# Altium PCB Cueing-shoes-LSM9DS1.PcbDoc (part 2 of 2)
Units mm, origin at the board's own origin, x right, y up, seen from the top; angles counter-clockwise.
Board outline 61.47 x 70.61 mm, 2 copper layers (Top Layer, Bottom Layer); 73 components, 55 nets, 298 pads, 1540 vias.
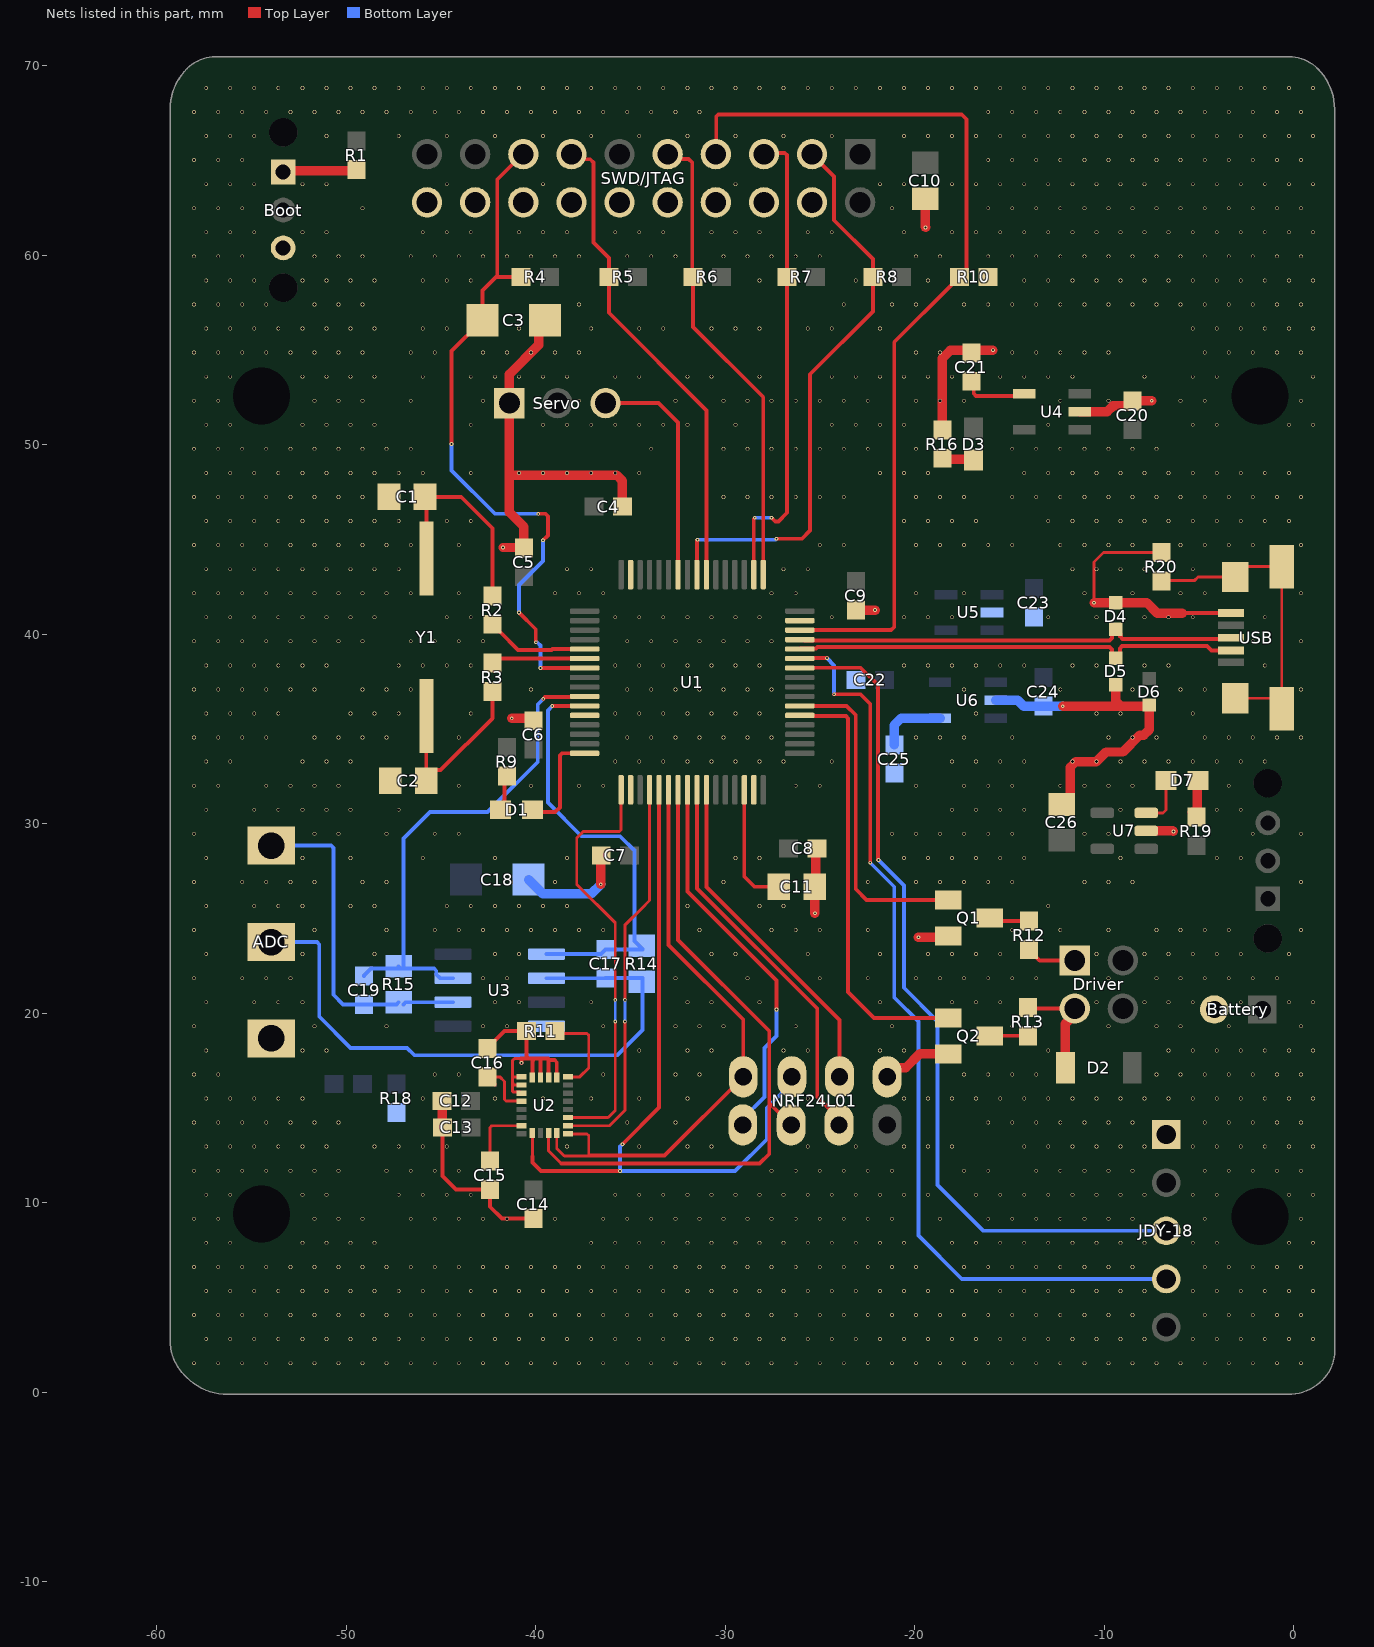
[diagram p2: the nets of this part, all layers, seen from the top]

## Via types
v1: diameter 0.2/0.2 (per signal layer), hole 0.15, Top Layer to Bottom Layer, 1475 vias
v2: diameter 0.2, hole 0.1, Top Layer to Bottom Layer, 65 vias

## Nets (pads, with @x,y where several pads share a name; then routed paths per layer and width w, separated by ;. In a path a pad name is that pad's centre, name@x,y a point inside that pad or via, vN(x,y) a via of type N, cw(c..) or ccw(c..) an arc to the next point about the centre after c; other vN are vias at no path point) (continued)
GND: ADC.1 Battery.2 Boot.3 C1.2 C2.2 C3.2 C4.2 C5.2 C6.2 C7.2 C8.2 C9.2 C10.2 C11.2 C12.1 C13.2 C14.2 C15.1 C16.1 C18.2 C20.2 C21.2 C22.2 C23.2 C24.2 C25.2 C26.2 D4.2 D5.2 D6.2 JDY-18.1 NRF24L01.1 pad.7 pad.8 pad.9 pad.10 Q1.2 Q2.2 R10.1 R11.1 R16.2 R18.1 R20.1 Servo.1 SWD/JTAG.11 SWD/JTAG.12 SWD/JTAG.13 SWD/JTAG.14 SWD/JTAG.15 SWD/JTAG.16 SWD/JTAG.17 SWD/JTAG.18 SWD/JTAG.19 U1.12 U1.18 U1.31 U1.47 U1.63 U2.14 U2.15 U2.16 U2.17 U2.18 U2.19 U2.20 U3.4 U4.2 U5.2 U6.2 U7.2 USB.5 | length 107.2
  Top Layer w0.152: U2.19@-40.831,16.207 -41.137,16.207 -41.226,16.296 ; U2.19@-40.799,16.175 U2.19@-40.767,16.207 ; U2.20@-40.767,15.777 -40.831,15.841 -41.201,15.841 -41.226,15.866 -41.226,16.296 ; U2.18@-40.767,16.637 -41.226,16.637 ; -40.767,17.598 -40.712,17.598 ; -40.767,17.631 -40.78,17.644 -40.789,17.644 -40.835,17.598 -41.137,17.598 -41.226,17.509 -41.226,16.637 ; C8.2@-25.183,28.702 C8.2@-25.158,28.702 ; v2(-10.538,41.659) -10.538,43.818 -10.045,44.311 R20.1@-6.985,44.311 ; -41.226,16.296 -41.226,16.637
  Top Layer w0.203: C13.2@-44.934,13.97 -44.934,11.406 -44.22,10.692 C15.1@-42.418,10.692 -42.418,9.779 -41.795,9.156 C14.2@-40.132,9.156 ; C16.1@-42.545,18.137 -42.545,18.162 -41.657,19.05 R11.1@-40.489,19.05 -40.489,17.717 -40.37,17.598 ; v2(-40.767,17.375) -40.767,17.543 -40.712,17.598 -40.37,17.598 ; U2.17@-40.187,16.602 -40.187,17.479 -40.068,17.598 ; U2.16@-39.757,16.602 -39.757,17.56 -39.719,17.598 ; U2.15@-39.327,16.602 -39.327,17.526 ; U2.14@-38.897,16.602 -38.897,17.407 -39.016,17.526 -39.327,17.526 ; -5.872,41.118 USB.5@-3.31,41.118 ; -40.37,17.598 -40.068,17.598 ; -40.068,17.598 -39.719,17.598 ; -39.719,17.598 -39.37,17.598 -39.327,17.555 -39.327,17.526
  Top Layer w0.5: C13.2@-44.934,13.97 -44.946,13.982 -44.946,15.185 C12.1@-44.934,15.197 ; v2(-41.736,44.577) -40.664,44.577 C5.2@-40.64,44.553 -40.64,45.678 -41.402,46.44 -41.402,48.387 ; v2(-41.275,35.56) -40.259,35.56 C6.2@-40.132,35.433 ; C3.2@-39.522,56.572 -39.858,56.237 -39.858,55.265 -41.402,53.721 Servo.1@-41.402,52.197 -41.402,48.387 ; v2(-36.576,26.797) -36.576,28.297 C7.2@-36.552,28.321 ; C4.2@-35.433,46.736 -35.433,48.094 -35.726,48.387 -41.402,48.387 ; v2(-25.273,25.273) -25.278,25.278 C11.2@-25.278,26.67 -25.218,26.73 -25.218,28.642 C8.2@-25.158,28.702 ; C9.2@-23.114,41.275 v2(-22.098,41.275) ; NRF24L01.1@-21.463,16.637 -21.463,16.644 -20.99,17.117 -20.475,17.117 -19.746,17.846 Q2.2@-18.245,17.846 ; v2(-19.812,24.003) -18.316,24.003 Q1.2@-18.245,24.074 ; C10.2@-19.459,62.984 -19.459,61.496 v2(-19.431,61.468) ; R16.2@-18.546,50.788 -18.546,54.567 -18.122,54.991 -17.157,54.991 C21.2@-17.018,54.852 -16.879,54.991 v2(-15.875,54.991) ; C26.2@-12.246,31.018 -12.146,31.018 -11.796,31.368 -11.796,32.981 -11.503,33.274 v1(-10.414,33.274) -9.906,33.782 -9.017,33.782 -8.128,34.671 -7.913,34.671 -7.62,34.964 -7.62,36.157 -7.658,36.195 -9.105,36.195 ; v2(-12.192,36.195) -9.105,36.195 ; U4.2@-11.29,51.75 -9.845,51.75 -9.545,52.05 -8.734,52.05 -8.509,52.275 C20.2@-8.509,52.3 -8.485,52.324 v2(-7.493,52.324) ; v2(-10.538,41.659) D4.2@-9.398,41.659 -7.75,41.659 -7.209,41.118 -5.872,41.118 ; D5.2@-9.398,37.335 -9.398,36.488 -9.105,36.195 ; U7.2@-7.784,29.621 -6.38,29.621 v2(-6.35,29.591)
  Bottom Layer w0.5: C18.2@-40.387,27.051 -39.625,26.289 -37.084,26.289 v2(-36.576,26.797) ; U6.2@-15.735,36.51 -15.731,36.506 -14.557,36.506 -14.258,36.207 C24.2@-13.208,36.207 -12.204,36.207 v2(-12.192,36.195)
  other v1: -58.039,1.524 -56.769,1.524 -55.499,1.524 -54.229,1.524 -52.959,1.524 -51.689,1.524 -50.419,1.524 -49.149,1.524 -47.879,1.524 -46.609,1.524 -45.339,1.524 -44.069,1.524 -42.799,1.524 -41.529,1.524 -40.259,1.524 -38.989,1.524 -37.719,1.524 -36.449,1.524 -35.179,1.524 -33.909,1.524 -32.639,1.524 -31.369,1.524 -30.099,1.524 -28.829,1.524 -27.559,1.524 -26.289,1.524 -25.019,1.524 -23.749,1.524 -22.479,1.524 -21.209,1.524 -19.939,1.524 -18.669,1.524 -17.399,1.524 -16.129,1.524 -14.859,1.524 -13.589,1.524 -12.319,1.524 -11.049,1.524 -9.779,1.524 -8.509,1.524 -7.239,1.524 -5.969,1.524 -4.699,1.524 -3.429,1.524 -2.159,1.524 -0.889,1.524 0.381,1.524 -57.404,2.794 -56.134,2.794 -54.864,2.794 -53.594,2.794 -52.324,2.794 -51.054,2.794 -49.784,2.794 -48.514,2.794 -47.244,2.794 -45.974,2.794 -44.704,2.794 -43.434,2.794 -42.164,2.794 -40.894,2.794 -39.624,2.794 -38.354,2.794 -37.084,2.794 -35.814,2.794 -34.544,2.794 -33.274,2.794 -32.004,2.794 -30.734,2.794 -29.464,2.794 -28.194,2.794 -26.924,2.794 -25.654,2.794 -24.384,2.794 -23.114,2.794 -21.844,2.794 -20.574,2.794 -19.304,2.794 -18.034,2.794 -16.764,2.794 -15.494,2.794 -14.224,2.794 -12.954,2.794 -11.684,2.794 -10.414,2.794 -9.144,2.794 -7.874,2.794 -5.334,2.794 -4.064,2.794 -2.794,2.794 -1.524,2.794 -0.254,2.794 1.016,2.794 -58.039,4.064 -56.769,4.064 -55.499,4.064 -54.229,4.064 -52.959,4.064 -51.689,4.064 -50.419,4.064 -49.149,4.064 -47.879,4.064 -46.609,4.064 -45.339,4.064 -44.069,4.064 -42.799,4.064 -41.529,4.064 -40.259,4.064 -38.989,4.064 -37.719,4.064 -36.449,4.064 -35.179,4.064 -33.909,4.064 -32.639,4.064 -31.369,4.064 -30.099,4.064 -28.829,4.064 -27.559,4.064 -26.289,4.064 -25.019,4.064 -23.749,4.064 -22.479,4.064 -21.209,4.064 -19.939,4.064 -18.669,4.064 -17.399,4.064 -16.129,4.064 -14.859,4.064 -13.589,4.064 -12.319,4.064 -11.049,4.064 -9.779,4.064 -8.509,4.064 -4.699,4.064 -3.429,4.064 -2.159,4.064 -0.889,4.064 0.381,4.064 -57.404,5.334 -56.134,5.334 -54.864,5.334 -53.594,5.334 -52.324,5.334 -51.054,5.334 -49.784,5.334 -48.514,5.334 -47.244,5.334 -45.974,5.334 -44.704,5.334 -43.434,5.334 -42.164,5.334 -40.894,5.334 -39.624,5.334 -38.354,5.334 -37.084,5.334 -35.814,5.334 -34.544,5.334 -33.274,5.334 -32.004,5.334 -30.734,5.334 -29.464,5.334 -28.194,5.334 -26.924,5.334 -25.654,5.334 -24.384,5.334 -23.114,5.334 -21.844,5.334 -20.574,5.334 -19.304,5.334 -18.034,5.334 -16.764,5.334 -15.494,5.334 -14.224,5.334 -12.954,5.334 -11.684,5.334 -10.414,5.334 -9.144,5.334 -7.874,5.334 -5.334,5.334 -4.064,5.334 -2.794,5.334 -1.524,5.334 -0.254,5.334 1.016,5.334 -58.039,6.604 -56.769,6.604 -55.499,6.604 -54.229,6.604 -52.959,6.604 -51.689,6.604 -50.419,6.604 -49.149,6.604 -47.879,6.604 -46.609,6.604 -45.339,6.604 -44.069,6.604 -42.799,6.604 -41.529,6.604 -40.259,6.604 -38.989,6.604 -37.719,6.604 -36.449,6.604 -35.179,6.604 -33.909,6.604 -32.639,6.604 -31.369,6.604 -30.099,6.604 -28.829,6.604 -27.559,6.604 -26.289,6.604 -25.019,6.604 -23.749,6.604 -22.479,6.604 -21.209,6.604 -19.939,6.604 -17.399,6.604 -16.129,6.604 -14.859,6.604 -13.589,6.604 -12.319,6.604 -11.049,6.604 -9.779,6.604 -8.509,6.604 -4.699,6.604 -3.429,6.604 -2.159,6.604 -0.889,6.604 0.381,6.604 -57.404,7.874 -56.134,7.874 -52.324,7.874 -51.054,7.874 -49.784,7.874 -48.514,7.874 -37.084,7.874 -35.814,7.874 -34.544,7.874 -33.274,7.874 -32.004,7.874 -30.734,7.874 -29.464,7.874 -28.194,7.874 -26.924,7.874 -25.654,7.874 -24.384,7.874 -23.114,7.874 -21.844,7.874 -20.574,7.874 -18.034,7.874 -16.764,7.874 -15.494,7.874 -14.224,7.874 -12.954,7.874 -11.684,7.874 -10.414,7.874 -9.144,7.874 -7.874,7.874 -5.334,7.874 -4.064,7.874 -0.254,7.874 1.016,7.874 -58.039,9.144 -56.769,9.144 -51.689,9.144 -50.419,9.144 -49.149,9.144 -46.609,9.144 -45.339,9.144 -44.069,9.144 -42.799,9.144 -41.529,9.144 -38.989,9.144 -36.449,9.144 -35.179,9.144 -33.909,9.144 -32.639,9.144 -31.369,9.144 -30.099,9.144 -28.829,9.144 -27.559,9.144 -26.289,9.144 -25.019,9.144 -23.749,9.144 -22.479,9.144 -21.209,9.144 -18.669,9.144 -16.129,9.144 -14.859,9.144 -13.589,9.144 -12.319,9.144 -11.049,9.144 -9.779,9.144 -8.509,9.144 -4.699,9.144 0.381,9.144 -57.404,10.414 -56.134,10.414 -52.324,10.414 -51.054,10.414 -47.244,10.414 -45.974,10.414 -44.704,10.414 -43.434,10.414 -35.814,10.414 -34.544,10.414 -33.274,10.414 -32.004,10.414 -30.734,10.414 -29.464,10.414 -28.194,10.414 -26.924,10.414 -25.654,10.414 -24.384,10.414 -23.114,10.414 -21.844,10.414 -20.574,10.414 -19.304,10.414 -16.764,10.414 -15.494,10.414 -14.224,10.414 -12.954,10.414 -11.684,10.414 -10.414,10.414 -9.144,10.414 -7.874,10.414 -5.334,10.414 -4.064,10.414 -0.254,10.414 1.016,10.414 -58.039,11.684 -56.769,11.684 -55.499,11.684 -54.229,11.684 -52.959,11.684 -51.689,11.684 -50.419,11.684 -47.879,11.684 -46.609,11.684 -45.339,11.684 -44.069,11.684 -27.559,11.684 -26.289,11.684 -25.019,11.684 -23.749,11.684 -22.479,11.684 -21.209,11.684 -17.399,11.684 -16.129,11.684 -13.589,11.684 -12.319,11.684 -11.049,11.684 -9.779,11.684 -8.509,11.684 -4.699,11.684 -3.429,11.684 -2.159,11.684 -0.889,11.684 0.381,11.684 -57.404,12.954 -56.134,12.954 -54.864,12.954 -53.594,12.954 -52.324,12.954 -51.054,12.954 -48.514,12.954 -47.244,12.954 -45.974,12.954 -44.704,12.954 -38.354,12.954 -34.544,12.954 -32.004,12.954 -30.734,12.954 -25.654,12.954 -23.114,12.954 -20.574,12.954 -19.304,12.954 -18.034,12.954 -14.224,12.954 -12.954,12.954 -11.684,12.954 -10.414,12.954 -9.144,12.954 -7.874,12.954 -5.334,12.954 -4.064,12.954 -2.794,12.954 -1.524,12.954 -0.254,12.954 1.016,12.954 -58.039,14.224 -56.769,14.224 -55.499,14.224 -54.229,14.224 -52.959,14.224 -51.689,14.224 -50.419,14.224 -35.179,14.224 -32.639,14.224 -16.129,14.224 -14.859,14.224 -13.589,14.224 -12.319,14.224 -11.049,14.224 -9.779,14.224 -8.509,14.224 -4.699,14.224 -3.429,14.224 -2.159,14.224 -0.889,14.224 0.381,14.224 -57.404,15.494 -56.134,15.494 -54.864,15.494 -53.594,15.494 -52.324,15.494 -45.974,15.494 -42.164,15.494 -39.624,15.494 -37.084,15.494 -34.544,15.494 -32.004,15.494 -25.654,15.494 -20.574,15.494 -19.304,15.494 -18.034,15.494 -16.764,15.494 -15.494,15.494 -14.224,15.494 -12.954,15.494 -11.684,15.494 -10.414,15.494 -9.144,15.494 -7.874,15.494 -6.604,15.494 -5.334,15.494 -4.064,15.494 -2.794,15.494 -1.524,15.494 -0.254,15.494 1.016,15.494 -58.039,16.764 -56.769,16.764 -45.339,16.764 -44.069,16.764 -36.449,16.764 -32.639,16.764 -31.369,16.764 -17.399,16.764 -16.129,16.764 -14.859,16.764 -13.589,16.764 -7.239,16.764 -5.969,16.764 -4.699,16.764 -3.429,16.764 -2.159,16.764 -0.889,16.764 0.381,16.764 -57.404,18.034 -52.324,18.034 -51.054,18.034 -34.544,18.034 -32.004,18.034 -30.734,18.034 -26.924,18.034 -25.654,18.034 -21.844,18.034 -20.574,18.034 -12.954,18.034 -6.604,18.034 -5.334,18.034 -4.064,18.034 -2.794,18.034 -1.524,18.034 -0.254,18.034 1.016,18.034 -58.039,19.304 -51.689,19.304 -47.879,19.304 -42.799,19.304 -41.529,19.304 -36.449,19.304 -32.639,19.304 -31.369,19.304 -30.099,19.304 -26.289,19.304 -21.209,19.304 -14.859,19.304 -9.779,19.304 -7.239,19.304 -5.969,19.304 -3.429,19.304 0.381,19.304 -57.404,20.574 -54.864,20.574 -53.594,20.574 -52.324,20.574 -42.164,20.574 -40.894,20.574 -37.084,20.574 -32.004,20.574 -30.734,20.574 -28.194,20.574 -21.844,20.574 -18.034,20.574 -16.764,20.574 -15.494,20.574 -10.414,20.574 -7.874,20.574 -6.604,20.574 -5.334,20.574 -2.794,20.574 -0.254,20.574 1.016,20.574 -58.039,21.844 -55.499,21.844 -54.229,21.844 -52.959,21.844 -42.799,21.844 -41.529,21.844 -32.639,21.844 -28.829,21.844 -25.019,21.844 -22.479,21.844 -19.939,21.844 -18.669,21.844 -17.399,21.844 -16.129,21.844 -14.859,21.844 -13.589,21.844 -9.779,21.844 -7.239,21.844 -5.969,21.844 -4.699,21.844 -3.429,21.844 -2.159,21.844 -0.889,21.844 -57.404,23.114 -52.324,23.114 -48.514,23.114 -42.164,23.114 -40.894,23.114 -30.734,23.114 -29.464,23.114 -25.654,23.114 -21.844,23.114 -19.304,23.114 -18.034,23.114 -16.764,23.114 -15.494,23.114 -10.414,23.114 -7.874,23.114 -6.604,23.114 -5.334,23.114 -4.064,23.114 -2.794,23.114 -0.254,23.114 -58.039,24.384 -51.689,24.384 -47.879,24.384 -45.339,24.384 -44.069,24.384 -42.799,24.384 -41.529,24.384 -40.259,24.384 -38.989,24.384 -37.719,24.384 -36.449,24.384 -31.369,24.384 -27.559,24.384 -26.289,24.384 -25.019,24.384 -22.479,24.384 -14.859,24.384 -12.319,24.384 -9.779,24.384 -7.239,24.384 -5.969,24.384 -4.699,24.384 -3.429,24.384 0.381,24.384 -57.404,25.654 -54.864,25.654 -53.594,25.654 -52.324,25.654 -49.784,25.654 -48.514,25.654 -44.704,25.654 -43.434,25.654 -42.164,25.654 -40.894,25.654 -39.624,25.654 -38.354,25.654 -32.004,25.654 -28.194,25.654 -26.924,25.654 -12.954,25.654 -58.039,26.924 -55.499,26.924 -54.229,26.924 -52.959,26.924 -51.689,26.924 -49.149,26.924 -47.879,26.924 -38.989,26.924 -30.099,26.924 -22.479,26.924 -19.939,26.924 -18.669,26.924 -17.399,26.924 -16.129,26.924 -14.859,26.924 -11.049,26.924 -9.779,26.924 -8.509,26.924 0.381,26.924 -57.404,28.194 -52.324,28.194 -49.784,28.194 -45.974,28.194 -42.164,28.194 -38.354,28.194 -29.464,28.194 -28.194,28.194 -20.574,28.194 -19.304,28.194 -18.034,28.194 -16.764,28.194 -15.494,28.194 -14.224,28.194 -9.144,28.194 -4.064,28.194 -2.794,28.194 -58.039,29.464 -51.689,29.464 -50.419,29.464 -47.879,29.464 -45.339,29.464 -44.069,29.464 -21.209,29.464 -19.939,29.464 -18.669,29.464 -17.399,29.464 -16.129,29.464 -14.859,29.464 -11.049,29.464 -9.779,29.464 -2.159,29.464 0.381,29.464 -57.404,30.734 -54.864,30.734 -53.594,30.734 -52.324,30.734 -51.054,30.734 -49.784,30.734 -47.244,30.734 -18.034,30.734 -16.764,30.734 -15.494,30.734 -14.224,30.734 -9.144,30.734 -4.064,30.734 -2.794,30.734 -58.039,32.004 -56.769,32.004 -54.229,32.004 -52.959,32.004 -51.689,32.004 -50.419,32.004 -44.069,32.004 -40.259,32.004 -37.719,32.004 -36.449,32.004 -26.289,32.004 -25.019,32.004 -19.939,32.004 -17.399,32.004 -16.129,32.004 -14.859,32.004 -12.319,32.004 -11.049,32.004 -9.779,32.004 -8.509,32.004 -3.429,32.004 -57.404,33.274 -56.134,33.274 -52.324,33.274 -51.054,33.274 -49.784,33.274 -35.814,33.274 -34.544,33.274 -33.274,33.274 -32.004,33.274 -30.734,33.274 -29.464,33.274 -28.194,33.274 -26.924,33.274 -24.384,33.274 -18.034,33.274 -16.764,33.274 -15.494,33.274 -14.224,33.274 -11.684,33.274 -9.144,33.274 -7.874,33.274 -6.604,33.274 -5.334,33.274 -4.064,33.274 -2.794,33.274 -1.524,33.274 -58.039,34.544 -56.769,34.544 -55.499,34.544 -54.229,34.544 -51.689,34.544 -50.419,34.544 -49.149,34.544 -47.879,34.544 -44.069,34.544 -35.179,34.544 -33.909,34.544 -32.639,34.544 -31.369,34.544 -30.099,34.544 -28.829,34.544 -27.559,34.544 -19.939,34.544 -18.669,34.544 -17.399,34.544 -14.859,34.544 -9.779,34.544 -8.509,34.544 -7.239,34.544 -4.699,34.544 -3.429,34.544 -2.159,34.544 -0.889,34.544 0.381,34.544 -57.404,35.814 -56.134,35.814 -54.864,35.814 -53.594,35.814 -49.784,35.814 -48.514,35.814 -47.244,35.814 -43.434,35.814 -35.814,35.814 -34.544,35.814 -33.274,35.814 -32.004,35.814 -30.734,35.814 -29.464,35.814 -28.194,35.814 -16.764,35.814 -10.414,35.814 -9.144,35.814 -5.334,35.814 -58.039,37.084 -56.769,37.084 -55.499,37.084 -54.229,37.084 -52.959,37.084 -51.689,37.084 -49.149,37.084 -47.879,37.084 -46.609,37.084 -40.259,37.084 -35.179,37.084 -33.909,37.084 -32.639,37.084 -31.369,37.084 -30.099,37.084 -28.829,37.084 -27.559,37.084 -17.399,37.084 -12.319,37.084 -8.509,37.084 -5.969,37.084 -4.699,37.084 0.381,37.084 -57.404,38.354 -56.134,38.354 -54.864,38.354 -53.594,38.354 -52.324,38.354 -51.054,38.354 -47.244,38.354 -45.974,38.354 -44.704,38.354 -43.434,38.354 -35.814,38.354 -34.544,38.354 -33.274,38.354 -32.004,38.354 -30.734,38.354 -29.464,38.354 -28.194,38.354 -20.574,38.354 -19.304,38.354 -18.034,38.354 -16.764,38.354 -15.494,38.354 -14.224,38.354 -11.684,38.354 -10.414,38.354 -7.874,38.354 -6.604,38.354 -1.524,38.354 -58.039,39.624 -56.769,39.624 -55.499,39.624 -54.229,39.624 -52.959,39.624 -51.689,39.624 -50.419,39.624 -49.149,39.624 -46.609,39.624 -45.339,39.624 -44.069,39.624 -42.799,39.624 -35.179,39.624 -33.909,39.624 -32.639,39.624 -31.369,39.624 -30.099,39.624 -28.829,39.624 -27.559,39.624 -2.159,39.624 0.381,39.624 -57.404,40.894 -56.134,40.894 -54.864,40.894 -53.594,40.894 -52.324,40.894 -51.054,40.894 -49.784,40.894 -48.514,40.894 -44.704,40.894 -43.434,40.894 -35.814,40.894 -34.544,40.894 -33.274,40.894 -32.004,40.894 -30.734,40.894 -29.464,40.894 -28.194,40.894 -24.384,40.894 -20.574,40.894 -19.304,40.894 -18.034,40.894 -12.954,40.894 -10.414,40.894 -7.874,40.894 -6.604,40.894 -5.334,40.894 -1.524,40.894 -58.039,42.164 -56.769,42.164 -55.499,42.164 -54.229,42.164 -52.959,42.164 -51.689,42.164 -50.419,42.164 -49.149,42.164 -47.879,42.164 -46.609,42.164 -44.069,42.164 -38.989,42.164 -37.719,42.164 -36.449,42.164 -27.559,42.164 -26.289,42.164 -19.939,42.164 -17.399,42.164 -11.049,42.164 -8.509,42.164 -5.969,42.164 -4.699,42.164 0.381,42.164 -57.404,43.434 -56.134,43.434 -54.864,43.434 -53.594,43.434 -52.324,43.434 -51.054,43.434 -49.784,43.434 -48.514,43.434 -47.244,43.434 -38.354,43.434 -37.084,43.434 -26.924,43.434 -25.654,43.434 -11.684,43.434 -10.414,43.434 -9.144,43.434 -7.874,43.434 -5.334,43.434 -58.039,44.704 -56.769,44.704 -55.499,44.704 -54.229,44.704 -52.959,44.704 -51.689,44.704 -50.419,44.704 -49.149,44.704 -47.879,44.704 -46.609,44.704 -44.069,44.704 -25.019,44.704 -23.749,44.704 -19.939,44.704 -18.669,44.704 -17.399,44.704 -16.129,44.704 -14.859,44.704 -12.319,44.704 -11.049,44.704 -9.779,44.704 -8.509,44.704 -5.969,44.704 -4.699,44.704 -3.429,44.704 -2.159,44.704 0.381,44.704 -57.404,45.974 -56.134,45.974 -54.864,45.974 -53.594,45.974 -52.324,45.974 -51.054,45.974 -49.784,45.974 -48.514,45.974 -47.244,45.974 -44.704,45.974 -43.434,45.974 -20.574,45.974 -19.304,45.974 -18.034,45.974 -16.764,45.974 -12.954,45.974 -11.684,45.974 -10.414,45.974 -9.144,45.974 -7.874,45.974 -6.604,45.974 -5.334,45.974 -4.064,45.974 -2.794,45.974 -1.524,45.974 -0.254,45.974 -58.039,47.244 -56.769,47.244 -55.499,47.244 -54.229,47.244 -52.959,47.244 -51.689,47.244 -50.419,47.244 -49.149,47.244 -30.099,47.244 -28.829,47.244 -27.559,47.244 -26.289,47.244 -25.019,47.244 -23.749,47.244 -19.939,47.244 -18.669,47.244 -17.399,47.244 -14.859,47.244 -13.589,47.244 -12.319,47.244 -11.049,47.244 -9.779,47.244 -8.509,47.244 -7.239,47.244 -5.969,47.244 -4.699,47.244 -3.429,47.244 -2.159,47.244 -0.889,47.244 0.381,47.244 -57.404,48.514 -56.134,48.514 -54.864,48.514 -53.594,48.514 -52.324,48.514 -51.054,48.514 -49.784,48.514 -48.514,48.514 -47.244,48.514 -45.974,48.514 -43.434,48.514 -40.894,48.514 -39.624,48.514 -38.354,48.514 -37.084,48.514 -35.814,48.514 -34.544,48.514 -21.844,48.514 -20.574,48.514 -19.304,48.514 -14.224,48.514 -12.954,48.514 -11.684,48.514 -10.414,48.514 -9.144,48.514 -7.874,48.514 -6.604,48.514 -5.334,48.514 -4.064,48.514 -2.794,48.514 -1.524,48.514 -0.254,48.514 -58.039,49.784 -56.769,49.784 -55.499,49.784 -54.229,49.784 -52.959,49.784 -51.689,49.784 -50.419,49.784 -49.149,49.784 -47.879,49.784 -46.609,49.784 -33.909,49.784 -30.099,49.784 -28.829,49.784 -27.559,49.784 -26.289,49.784 -25.019,49.784 -23.749,49.784 -22.479,49.784 -19.939,49.784 -14.859,49.784 -13.589,49.784 -12.319,49.784 -11.049,49.784 -9.779,49.784 -8.509,49.784 -7.239,49.784 -57.404,51.054 -56.134,51.054 -52.324,51.054 -51.054,51.054 -49.784,51.054 -48.514,51.054 -43.434,51.054 -39.624,51.054 -38.354,51.054 -37.084,51.054 -35.814,51.054 -34.544,51.054 -33.274,51.054 -32.004,51.054 -29.464,51.054 -24.384,51.054 -23.114,51.054 -21.844,51.054 -20.574,51.054 -12.954,51.054 -5.334,51.054 -4.064,51.054 -0.254,51.054 1.016,51.054 -58.039,52.324 -56.769,52.324 -51.689,52.324 -50.419,52.324 -49.149,52.324 -46.609,52.324 -42.799,52.324 -37.719,52.324 -32.639,52.324 -30.099,52.324 -28.829,52.324 -27.559,52.324 -26.289,52.324 -25.019,52.324 -23.749,52.324 -22.479,52.324 -19.939,52.324 -18.669,52.324 -17.399,52.324 -12.319,52.324 -9.779,52.324 -5.969,52.324 -4.699,52.324 0.381,52.324 -57.404,53.594 -56.134,53.594 -52.324,53.594 -51.054,53.594 -49.784,53.594 -48.514,53.594 -45.974,53.594 -43.434,53.594 -42.164,53.594 -40.894,53.594 -39.624,53.594 -38.354,53.594 -35.814,53.594 -34.544,53.594 -32.004,53.594 -30.734,53.594 -28.194,53.594 -24.384,53.594 -23.114,53.594 -21.844,53.594 -20.574,53.594 -19.304,53.594 -18.034,53.594 -15.494,53.594 -14.224,53.594 -12.954,53.594 -11.684,53.594 -7.874,53.594 -5.334,53.594 -4.064,53.594 1.016,53.594 -58.039,54.864 -56.769,54.864 -55.499,54.864 -54.229,54.864 -52.959,54.864 -51.689,54.864 -50.419,54.864 -49.149,54.864 -46.609,54.864 -45.339,54.864 -42.799,54.864 -41.529,54.864 -40.259,54.864 -38.989,54.864 -37.719,54.864 -19.939,54.864 -18.669,54.864 -14.859,54.864 -13.589,54.864 -12.319,54.864 -11.049,54.864 -9.779,54.864 -4.699,54.864 -3.429,54.864 -2.159,54.864 -0.889,54.864 0.381,54.864 -57.404,56.134 -56.134,56.134 -54.864,56.134 -53.594,56.134 -52.324,56.134 -51.054,56.134 -49.784,56.134 -48.514,56.134 -45.974,56.134 -44.704,56.134 -40.894,56.134 -37.084,56.134 -34.544,56.134 -33.274,56.134 -30.734,56.134 -29.464,56.134 -28.194,56.134 -25.654,56.134 -24.384,56.134 -21.844,56.134 -5.334,56.134 -4.064,56.134 -2.794,56.134 -1.524,56.134 -0.254,56.134 1.016,56.134 -58.039,57.404 -56.769,57.404 -55.499,57.404 -54.229,57.404 -51.689,57.404 -50.419,57.404 -49.149,57.404 -37.719,57.404 -23.749,57.404 -21.209,57.404 -19.939,57.404 -17.399,57.404 -16.129,57.404 -14.859,57.404 -13.589,57.404 -12.319,57.404 -11.049,57.404 -9.779,57.404 -8.509,57.404 -7.239,57.404 -5.969,57.404 -4.699,57.404 -3.429,57.404 -2.159,57.404 -0.889,57.404 0.381,57.404 -57.404,58.674 -56.134,58.674 -54.864,58.674 -52.324,58.674 -51.054,58.674 -49.784,58.674 -48.514,58.674 -45.974,58.674 -44.704,58.674 -43.434,58.674 -28.194,58.674 -23.114,58.674 -19.304,58.674 -14.224,58.674 -12.954,58.674 -11.684,58.674 -10.414,58.674 -9.144,58.674 -7.874,58.674 -6.604,58.674 -5.334,58.674 -4.064,58.674 -2.794,58.674 -1.524,58.674 -0.254,58.674 1.016,58.674 -58.039,59.944 -56.769,59.944 -55.499,59.944 -51.689,59.944 -50.419,59.944 -49.149,59.944 -46.609,59.944 -45.339,59.944 -44.069,59.944 -42.799,59.944 -41.529,59.944 -40.259,59.944 -38.989,59.944 -37.719,59.944 -35.179,59.944 -33.909,59.944 -32.639,59.944 -30.099,59.944 -28.829,59.944 -27.559,59.944 -26.289,59.944 -25.019,59.944 -19.939,59.944 -18.669,59.944 -16.129,59.944 -14.859,59.944 -13.589,59.944 -12.319,59.944 -11.049,59.944 -9.779,59.944 -8.509,59.944 -7.239,59.944 -5.969,59.944 -4.699,59.944 -3.429,59.944 -2.159,59.944 -0.889,59.944 0.381,59.944 -57.404,61.214 -56.134,61.214 -54.864,61.214 -52.324,61.214 -51.054,61.214 -45.974,61.214 -44.704,61.214 -43.434,61.214 -40.894,61.214 -39.624,61.214 -38.354,61.214 -35.814,61.214 -34.544,61.214 -33.274,61.214 -30.734,61.214 -29.464,61.214 -28.194,61.214 -25.654,61.214 -24.384,61.214 -20.574,61.214 -18.034,61.214 -16.764,61.214 -15.494,61.214 -14.224,61.214 -12.954,61.214 -11.684,61.214 -10.414,61.214 -9.144,61.214 -7.874,61.214 -6.604,61.214 -5.334,61.214 -4.064,61.214 -2.794,61.214 -1.524,61.214 -0.254,61.214 1.016,61.214 -58.039,62.484 -56.769,62.484 -55.499,62.484 -49.149,62.484 -21.209,62.484 -16.129,62.484 -14.859,62.484 -13.589,62.484 -12.319,62.484 -11.049,62.484 -9.779,62.484 -8.509,62.484 -7.239,62.484 -5.969,62.484 -4.699,62.484 -3.429,62.484 -2.159,62.484 -0.889,62.484 0.381,62.484 -57.404,63.754 -56.134,63.754 -54.864,63.754 -52.324,63.754 -51.054,63.754 -44.704,63.754 -39.624,63.754 -34.544,63.754 -29.464,63.754 -21.844,63.754 -20.574,63.754 -18.034,63.754 -16.764,63.754 -15.494,63.754 -14.224,63.754 -12.954,63.754 -11.684,63.754 -10.414,63.754 -9.144,63.754 -7.874,63.754 -6.604,63.754 -5.334,63.754 -4.064,63.754 -2.794,63.754 -1.524,63.754 -0.254,63.754 1.016,63.754 -58.039,65.024 -56.769,65.024 -55.499,65.024 -16.129,65.024 -14.859,65.024 -13.589,65.024 -12.319,65.024 -11.049,65.024 -9.779,65.024 -8.509,65.024 -7.239,65.024 -5.969,65.024 -4.699,65.024 -3.429,65.024 -2.159,65.024 -0.889,65.024 0.381,65.024 -57.404,66.294 -56.134,66.294 -54.864,66.294 -51.054,66.294 -47.244,66.294 -44.704,66.294 -42.164,66.294 -39.624,66.294 -37.084,66.294 -34.544,66.294 -32.004,66.294 -29.464,66.294 -26.924,66.294 -24.384,66.294 -20.574,66.294 -19.304,66.294 -18.034,66.294 -16.764,66.294 -15.494,66.294 -14.224,66.294 -12.954,66.294 -11.684,66.294 -10.414,66.294 -9.144,66.294 -7.874,66.294 -6.604,66.294 -5.334,66.294 -4.064,66.294 -2.794,66.294 -1.524,66.294 -0.254,66.294 1.016,66.294 -58.039,67.564 -56.769,67.564 -55.499,67.564 -54.229,67.564 -52.959,67.564 -51.689,67.564 -50.419,67.564 -49.149,67.564 -47.879,67.564 -46.609,67.564 -45.339,67.564 -44.069,67.564 -42.799,67.564 -41.529,67.564 -40.259,67.564 -38.989,67.564 -37.719,67.564 -36.449,67.564 -35.179,67.564 -33.909,67.564 -32.639,67.564 -31.369,67.564 -16.129,67.564 -14.859,67.564 -13.589,67.564 -12.319,67.564 -11.049,67.564 -9.779,67.564 -8.509,67.564 -7.239,67.564 -5.969,67.564 -4.699,67.564 -3.429,67.564 -2.159,67.564 -0.889,67.564 0.381,67.564 -57.404,68.834 -56.134,68.834 -54.864,68.834 -53.594,68.834 -52.324,68.834 -51.054,68.834 -49.784,68.834 -48.514,68.834 -47.244,68.834 -45.974,68.834 -44.704,68.834 -43.434,68.834 -42.164,68.834 -40.894,68.834 -39.624,68.834 -38.354,68.834 -37.084,68.834 -35.814,68.834 -34.544,68.834 -33.274,68.834 -32.004,68.834 -30.734,68.834 -29.464,68.834 -28.194,68.834 -26.924,68.834 -25.654,68.834 -24.384,68.834 -23.114,68.834 -21.844,68.834 -20.574,68.834 -19.304,68.834 -18.034,68.834 -16.764,68.834 -15.494,68.834 -14.224,68.834 -12.954,68.834 -11.684,68.834 -10.414,68.834 -9.144,68.834 -7.874,68.834 -6.604,68.834 -5.334,68.834 -4.064,68.834 -2.794,68.834 -1.524,68.834 -0.254,68.834 1.016,68.834
IMU_CS_A/G: U1.20 U2.7 | length 20.8
  Top Layer w0.152: U2.7@-38.317,14.057 -36.108,14.057 -35.306,14.859 v2(-35.306,19.558) ; v2(-35.306,20.701) -35.306,24.638 -34.407,25.537 -34,25.944 U1.20@-34,31.785
  Bottom Layer w0.152: v2(-35.306,19.558) v2(-35.306,20.701)
IMU_CS_M: U1.17 U2.8 | length 22.5
  Top Layer w0.152: U2.8@-38.317,14.487 -36.186,14.487 -35.814,14.859 v2(-35.814,19.558) ; v2(-35.814,20.701) -35.814,24.765 -37.846,26.797 -37.846,29.248 -37.503,29.591 -35.589,29.591 -35.5,29.68 U1.17@-35.5,31.785
  Bottom Layer w0.152: v2(-35.814,19.558) v2(-35.814,20.701)
INPUT_1: ADC.3 C19.2 R15.1 U3.6 | length 17.5
  Bottom Layer w0.203: ADC.3@-53.975,28.842 -50.805,28.842 -50.686,28.723 -50.686,20.968 -50.177,20.459 C19.2@-49.073,20.459 -49.066,20.453 -47.365,20.453 R15.1@-47.244,20.574 ; R15.1@-46.99,20.459 -46.875,20.574 U3.6@-44.38,20.574
INPUT_2: ADC.2 C17.2 R14.1 U3.2 | length 32.7
  Bottom Layer w0.203: ADC.2@-53.975,23.749 -51.554,23.749 -51.435,23.63 -51.435,19.812 -49.784,18.161 -46.803,18.161 -46.422,17.78 -35.687,17.78 -34.365,19.102 -34.365,21.856 C17.2@-36.322,21.856 -36.334,21.844 U3.2@-39.44,21.844
LED: Driver.1 R12.2 | length 2.7
  Top Layer w0.203: R12.2@-13.97,23.368 -13.97,23.343 -13.409,22.782 Driver.1@-11.557,22.782
NetBoot1_1: Boot.1 R1.1 | length 3.9
  Top Layer w0.5: Boot.1@-53.34,64.389 -53.268,64.461 -49.547,64.461 R1.1@-49.475,64.533
NetC1_1: C1.1 R2.2 Y1.1 | length 11.1
  Top Layer w0.203: Y1.1@-45.771,43.99 -45.771,47.163 C1.1@-45.852,47.244 -43.942,47.244 -42.291,45.593 R2.2@-42.291,42.025
NetC2_1: C2.1 R3.1 Y1.2 | length 9.7
  Top Layer w0.203: C2.1@-45.79,32.261 -45.79,32.361 -45.79,35.67 Y1.2@-45.771,35.69 ; C2.1@-45.79,32.325 -45.292,32.823 -45.028,32.823 -42.291,35.56 R3.1@-42.291,36.969
NetC11_1: C11.1 U1.30 | length 6.6
  Top Layer w0.203: U1.30@-29,31.785 -29,27.214 -28.456,26.67 C11.1@-27.178,26.67
NetC15_2: C15.2 U2.24 | length 3.4
  Top Layer w0.152: C15.2@-42.418,12.286 -42.418,13.968 -42.329,14.057 U2.24@-40.767,14.057
NetC16_2: C16.2 U2.21 | length 2.9
  Top Layer w0.152: C16.2@-42.545,16.637 -41.91,16.637 -41.656,16.383 -41.656,15.447 -41.567,15.358 -40.778,15.358 U2.21@-40.767,15.347
  Top Layer w0.203: C16.2@-42.172,16.239 C16.2@-42.172,16.256
NetC21_1: C21.1 U4.4 | length 3.5
  Top Layer w0.203: C21.1@-17.018,53.352 -16.891,53.225 -16.891,52.697 -16.772,52.578 -14.346,52.578 U4.4@-14.224,52.7
NetC25_1: C25.1 U6.4 | length 3.6
  Bottom Layer w0.5: C25.1@-21.082,34.163 -21.082,35.204 -20.726,35.56 U6.4@-18.669,35.56
NetD1_1: D1.1 R9.1 | length 2
  Top Layer w0.203: R9.1@-41.91,32.397 R9.1@-41.871,32.358 ; D1.1@-41.871,30.734 -41.656,30.949 -41.656,32.385 R9.1@-41.529,32.512
NetD1_2: D1.2 U1.16 | length 5.7
  Top Layer w0.203: D1.2@-40.171,30.734 -40.044,30.607 -38.989,30.607 -38.735,30.861 -38.735,33.596 -38.616,33.715 U1.16@-37.43,33.715
NetD3_2: D3.2 R16.1 | length 1.7
  Top Layer w0.5: R16.1@-18.546,49.288 -18.496,49.238 -16.941,49.238 D3.2@-16.891,49.188
NetD7_1: D7.1 R19.1 | length 2.3
  Top Layer w0.5: R19.1@-5.359,30.609 -5.134,30.384 R19.1@-5.134,30.359 -5.09,30.403 -5.09,30.546 -5.09,32.244 D7.1@-5.046,32.288
NetD7_2: D7.2 U7.3 | length 2.7
  Top Layer w0.152: U7.3@-7.784,30.571 -6.894,30.571 -6.746,30.719 D7.2@-6.746,32.288
NetQ1_3: Q1.3 R12.1 | length 2.1
  Top Layer w0.203: Q1.3@-16.045,25.024 -15.889,24.868 R12.1@-13.97,24.868
NetQ2_3: Q2.3 R13.1 | length 2
  Top Layer w0.203: Q2.3@-16.045,18.796 -16.038,18.803 R13.1@-14.032,18.803
NetR11_2: R11.2 U2.13 | length 4.9
  Top Layer w0.152: R11.2@-38.989,19.05 -38.862,18.923 -37.3,18.923 -37.211,18.834 -37.211,17.107 -37.681,16.637 U2.13@-38.317,16.637
NetR20_2: R20.2 USB.6 USB.7 USB.8 USB.9 | length 16.7
  Top Layer w0.152: R20.2@-6.887,42.843 -5.222,42.843 -5.047,43.018 USB.6@-3.085,43.018 -2.535,43.568 USB.7@-0.635,43.568 USB.8@-0.635,36.068 -1.185,36.618 USB.9@-3.085,36.618
NRF24_CE: NRF24L01.3 U1.26 | length 18.1
  Top Layer w0.203: U1.26@-31,31.785 -31,26.659 -23.978,19.637 NRF24L01.3@-23.978,16.637
NRF24_CSN: NRF24L01.4 U1.25 | length 20.8
  Top Layer w0.203: U1.25@-31.5,31.785 -31.5,26.585 -25.146,20.231 -25.146,15.57 -24.003,14.427 NRF24L01.4@-24.003,14.097
NRF24_INT: NRF24L01.8 U1.24 | length 20.4
  Top Layer w0.203: U1.24@-32,31.785 -32,26.412 -27.305,21.717 v2(-27.305,20.193)
  Bottom Layer w0.203: NRF24L01.8@-29.083,14.097 -29.083,14.427 -27.94,15.57 -27.94,18.161 -27.305,18.796 v2(-27.305,20.193)
NRST: C3.1 R4.1 SWD/JTAG.8 U1.7 | length 37.2
  Top Layer w0.203: v2(-44.45,50.038) -44.45,54.945 C3.1@-42.822,56.572 -42.822,58.143 -42.107,58.858 ; v2(-40.894,41.148) -40.005,40.259 v2(-40.005,39.577) ; R4.1@-40.779,58.858 -42.107,58.858 ; SWD/JTAG.8@-40.664,65.335 -40.71,65.335 -42.037,64.008 -42.037,58.928 -42.107,58.858 ; v2(-39.878,46.355) -39.497,46.355 -39.37,46.228 -39.37,45.212 v2(-39.624,44.958) ; v2(-39.763,38.215) U1.7@-37.43,38.215
  Bottom Layer w0.203: v2(-44.45,50.038) -44.45,48.641 -42.164,46.355 v2(-39.878,46.355) ; v2(-40.894,41.148) -40.894,42.599 -39.624,43.869 v2(-39.624,44.958) ; v2(-40.005,39.577) -39.927,39.577 -39.763,39.413 v2(-39.763,38.215)
OSC_IN: R2.1 U1.5 | length 5.5
  Top Layer w0.203: R2.1@-42.291,40.525 -42.291,40.5 -41.918,40.127 -41.893,40.127 -40.937,39.171 -39.163,39.171 -39.119,39.215 U1.5@-37.43,39.215
OSC_OUT: R3.2 U1.6 | length 5
  Top Layer w0.203: R3.2@-42.291,38.469 -42.045,38.715 U1.6@-37.43,38.715
PB6: Servo.3 U1.58 | length 12.3
  Top Layer w0.203: Servo.3@-36.322,52.197 -33.528,52.197 -32.5,51.169 U1.58@-32.5,43.145
PC2: C19.1 R15.2 U1.10 U3.7 | length 26.7
  Top Layer w0.203: v2(-39.612,36.588) -39.523,36.677 -37.468,36.677 U1.10@-37.43,36.715
  Bottom Layer w0.203: C19.1@-49.073,21.959 -49.073,21.979 -48.7,22.352 R15.2@-47.122,22.352 ; R15.2@-47.244,22.474 R15.2@-47.122,22.352 ; U3.7@-44.38,21.844 -45.058,21.844 -45.257,22.042 -45.257,22.233 -45.376,22.352 R15.2@-46.99,22.352 ; v2(-39.612,36.588) -39.903,36.297 -39.903,33.249 -42.545,30.607 -45.593,30.607 -46.99,29.21 R15.2@-46.99,22.352 ; R15.2@-47.122,22.352 R15.2@-46.99,22.352
PC3: C17.1 R14.2 U1.11 U3.1 | length 23.1
  Top Layer w0.203: v2(-39.136,36.215) U1.11@-37.43,36.215
  Bottom Layer w0.203: U3.1@-39.44,23.114 -36.564,23.114 C17.1@-36.322,23.356 -34.365,23.356 -34.365,23.381 -34.798,23.814 -34.798,28.575 -35.56,29.337 -37.592,29.337 -39.37,31.115 -39.37,35.981 v2(-39.136,36.215)
PC6: Q2.1 U1.37 | length 22.9
  Top Layer w0.203: U1.37@-26.07,35.715 -26.032,35.677 -23.641,35.677 -23.522,35.558 -23.522,21.109 -22.159,19.746 Q2.1@-18.245,19.746
PC7: Q1.1 U1.38 | length 17.4
  Top Layer w0.203: U1.38@-26.07,36.215 -23.603,36.215 -23.116,35.728 -23.116,26.545 -22.545,25.974 Q1.1@-18.245,25.974
SPI_MISO: NRF24L01.7 U1.22 U2.5 U2.6 | length 31.5
  Top Layer w0.152: U2.5@-38.897,13.662 -38.897,12.857 -38.499,12.459 -37.211,12.459 -37.211,13.538 -37.3,13.627 U2.6@-38.317,13.627
  Top Layer w0.203: -37.211,12.484 -33.21,12.484 NRF24L01.7@-29.058,16.637 -29.058,19.662 -33,23.604 U1.22@-33,31.785
SPI_MOSI: NRF24L01.6 U1.23 U2.4 | length 35.9
  Top Layer w0.152: U2.4@-39.327,13.662 -39.327,12.733 -38.66,12.067 -38.659,12.067
  Top Layer w0.203: -38.659,12.067 -33.427,12.067 -33.426,12.065 -28.194,12.065 -27.686,12.573 -27.686,15.253 ; U1.23@-32.5,31.785 -32.5,23.864 -27.686,19.05 -27.686,15.253 ; NRF24L01.6@-26.53,14.097 -27.686,15.253
SPI_SCK: NRF24L01.5 U1.21 U2.2 | length 40.3
  Top Layer w0.152: -40.187,12.446 U2.2@-40.187,13.662
  Top Layer w0.203: -40.187,12.446 -40.187,12.12 -39.726,11.659 -39.724,11.66 v2(-35.56,11.66) ; v2(-35.433,13.081) -33.5,15.014 U1.21@-33.5,31.785 ; NRF24L01.5@-26.492,16.307 NRF24L01.5@-26.492,16.637 NRF24L01.5@-26.492,16.967
  Bottom Layer w0.203: v2(-35.433,13.081) -35.56,12.954 v2(-35.56,11.66) -29.488,11.66 -27.813,13.335 -27.813,14.986 -26.492,16.307 NRF24L01.5@-26.492,16.637
TCK: R6.1 SWD/JTAG.5 U1.49 | length 24.8
  Top Layer w0.203: SWD/JTAG.5@-33.044,65.335 -32.796,65.087 -31.94,65.087 -31.75,64.897 -31.75,58.904 R6.1@-31.704,58.858 -31.704,56.215 -28,52.511 U1.49@-28,43.145
TDI: R7.1 SWD/JTAG.3 U1.50 | length 25.2
  Top Layer w0.203: U1.50@-28.5,43.145 -28.5,46.096 v2(-28.448,46.148) ; SWD/JTAG.3@-27.964,65.335 -27.895,65.405 -26.864,65.405 -26.745,65.286 R7.1@-26.745,58.858 -26.745,46.407 -27.197,45.955 -27.366,45.955 v2(-27.559,46.148)
  Bottom Layer w0.203: v2(-28.448,46.148) v2(-27.559,46.148)
TDO: R5.1 SWD/JTAG.7 U1.55 | length 25.6
  Top Layer w0.203: SWD/JTAG.7@-38.124,65.335 -37.857,65.068 -37.128,65.068 -36.957,64.897 -36.957,60.668 -36.138,59.849 R5.1@-36.138,58.858 -36.138,56.966 -30.988,51.816 -30.988,43.157 U1.55@-31,43.145
TMS: R10.2 SWD/JTAG.4 U1.46 | length 48.8
  Top Layer w0.203: SWD/JTAG.4@-30.504,65.335 -30.48,65.36 -30.48,67.318 -30.361,67.437 -17.526,67.437 -17.272,67.183 -17.272,59.224 R10.2@-17.638,58.858 -17.663,58.858 -18.036,58.485 -18.036,58.46 -21.082,55.414 -21.082,40.386 -21.253,40.215 U1.46@-26.07,40.215
TRST: R8.1 SWD/JTAG.2 U1.56 | length 30.6
  Top Layer w0.203: U1.56@-31.5,43.145 -31.5,44.954 v2(-31.467,44.987) ; v2(-27.305,45.038) -25.955,45.038 -25.527,45.466 -25.527,53.721 -22.21,57.038 R8.1@-22.21,58.858 -22.21,59.802 -24.257,61.849 -24.257,64.168 SWD/JTAG.2@-25.424,65.335
  Bottom Layer w0.203: v2(-31.467,44.987) -27.356,44.987 v2(-27.305,45.038)
UART_Rx: JDY-18.4 U1.43 | length 48.8
  Top Layer w0.203: U1.43@-26.07,38.715 -26.05,38.735 v2(-24.638,38.735) ; v2(-24.257,36.83) -22.86,36.83 -22.352,36.322 v2(-22.352,27.94)
  Bottom Layer w0.203: v2(-24.638,38.735) -24.257,38.354 v2(-24.257,36.83) ; v2(-22.352,27.94) -21.082,26.67 -21.082,20.828 -19.812,19.558 -19.812,8.255 -17.526,5.969 JDY-18.4@-6.731,5.969
UART_Tx: JDY-18.3 U1.42 | length 45.3
  Top Layer w0.203: U1.42@-26.07,38.215 -26.058,38.227 -22.86,38.227 -21.946,37.313 -21.946,28.108 v2(-21.912,28.075)
  Bottom Layer w0.203: v2(-21.912,28.075) -20.574,26.737 -20.574,21.336 -18.796,19.558 -18.796,10.922 -16.383,8.509 JDY-18.3@-6.731,8.509
USB_N: D5.1 U1.44 USB.2 | length 23.7
  Top Layer w0.215: U1.44@-26.07,39.215 -26.038,39.247 -25.219,39.247 -25.141,39.326 -9.722,39.326 -9.596,39.2 -9.596,38.933 D5.1@-9.398,38.735 -9.181,38.952 -9.181,39.244 -9.055,39.37 -4.572,39.37 -4.34,39.138 USB.2@-3.31,39.138
USB_P: D4.1 U1.45 USB.3 | length 23.2
  Top Layer w0.215: U1.45@-25.824,39.668 -9.722,39.668 -9.596,39.794 -9.596,40.061 D4.1@-9.398,40.259 -9.156,40.017 -9.156,39.876 -9.03,39.75 -3.378,39.75 USB.3@-3.31,39.818
Vibrator: D2.2 Driver.2 R13.2 | length 5.8
  Top Layer w0.203: R13.2@-14.032,20.303 -13.971,20.242 Driver.2@-11.557,20.242
  Top Layer w0.5: D2.2@-12.052,17.12 -12.052,19.449 -11.557,19.944 Driver.2@-11.557,20.242
pads on no net: "Power Options." Boot. JDY-18.5 SWD/JTAG.6 SWD/JTAG.9 SWD/JTAG.10 U1.2 U1.3 U1.4 U1.8 U1.9 U1.14 U1.15 U1.27 U1.28 U1.29 U1.33 U1.34 U1.35 U1.36 U1.39 U1.40 U1.41 U1.51 U1.52 U1.53 U1.54 U1.57 U1.59 U1.61 U1.62 U2.9 U2.10 U2.11 U2.12 U5.3 U7.4 USB.4

## Polygon pours and split planes (outlines as drawn)
GND on Bottom Layer "+3.3V_STM32_L01_P001" (solid, pour order 1): 1.651,69.469 2.159,68.961 2.159,1.397 0.635,-0.127 -57.404,-0.127 -59.309,1.778 -59.309,68.834 -57.739,70.404 0.57,70.404
GND on Top Layer "+3.3V_STM32_L01_P001" (solid, pour order 4): 1.27,69.85 1.27,69.596 2.159,68.707 2.159,1.651 0.508,0 -57.658,0 -59.309,1.651 -59.309,68.58 -57.404,70.485 0,70.485

## Keep-outs
Keep-Out Layer:
  lines w0.254: -59.309,67.564 -59.309,6.477 -59.309,2.729 ccw(c-56.707,2.729) -58.547,0.889 -58.359,0.701 ccw(c-56.36,2.701) -56.36,-0.127 -3.048,-0.127 -0.316,-0.127 ccw(c-0.316,2.475) 1.524,0.635 ccw(c-0.009,2.168) 2.159,2.168 2.159,5.08 2.159,67.183 2.159,67.704 ccw(c-0.876,67.704) 1.27,69.85 ccw(c-0.263,68.317) -0.263,70.485 -0.762,70.485 -56.9,70.485 ccw(c-56.9,68.348) -58.411,69.859 ccw(c-56.243,67.691) -59.309,67.691

## Silkscreen, mask and mechanical layers (free items; w line width, h text height)
Top Overlay:
  drawing of 43 lines, arcs and shapes, not listed
  text "Operate" at -56.454,58.928 h1 r90
Bottom Overlay:
  drawing of 19 lines, arcs and shapes, not listed
  text "USB" at -4.94,29.337 h1 r270
  text "Battery" at -4.759,24.638 h1 r270
  text "+5V" at -9.906,18.047 h1
  text "419V0021" at -38.1,2.961 h3

## Text inside footprints (layer, text, board x,y; h text height)
Battery: Top Overlay "+" at 0.749,20.77 h1.15 r180
U4: Top Overlay "*" at -10.719,50.419 h1.27 r180; Mechanical 13 "*" at -11.817,51.384 h1.27 r180
U6: Mechanical 13 "*" at -16.262,36.876 h1.27; Bottom Overlay "*" at -15.164,37.841 h1.27